# Altium PCB MatrixRE2.PcbDoc (part 2 of 3) (continued)
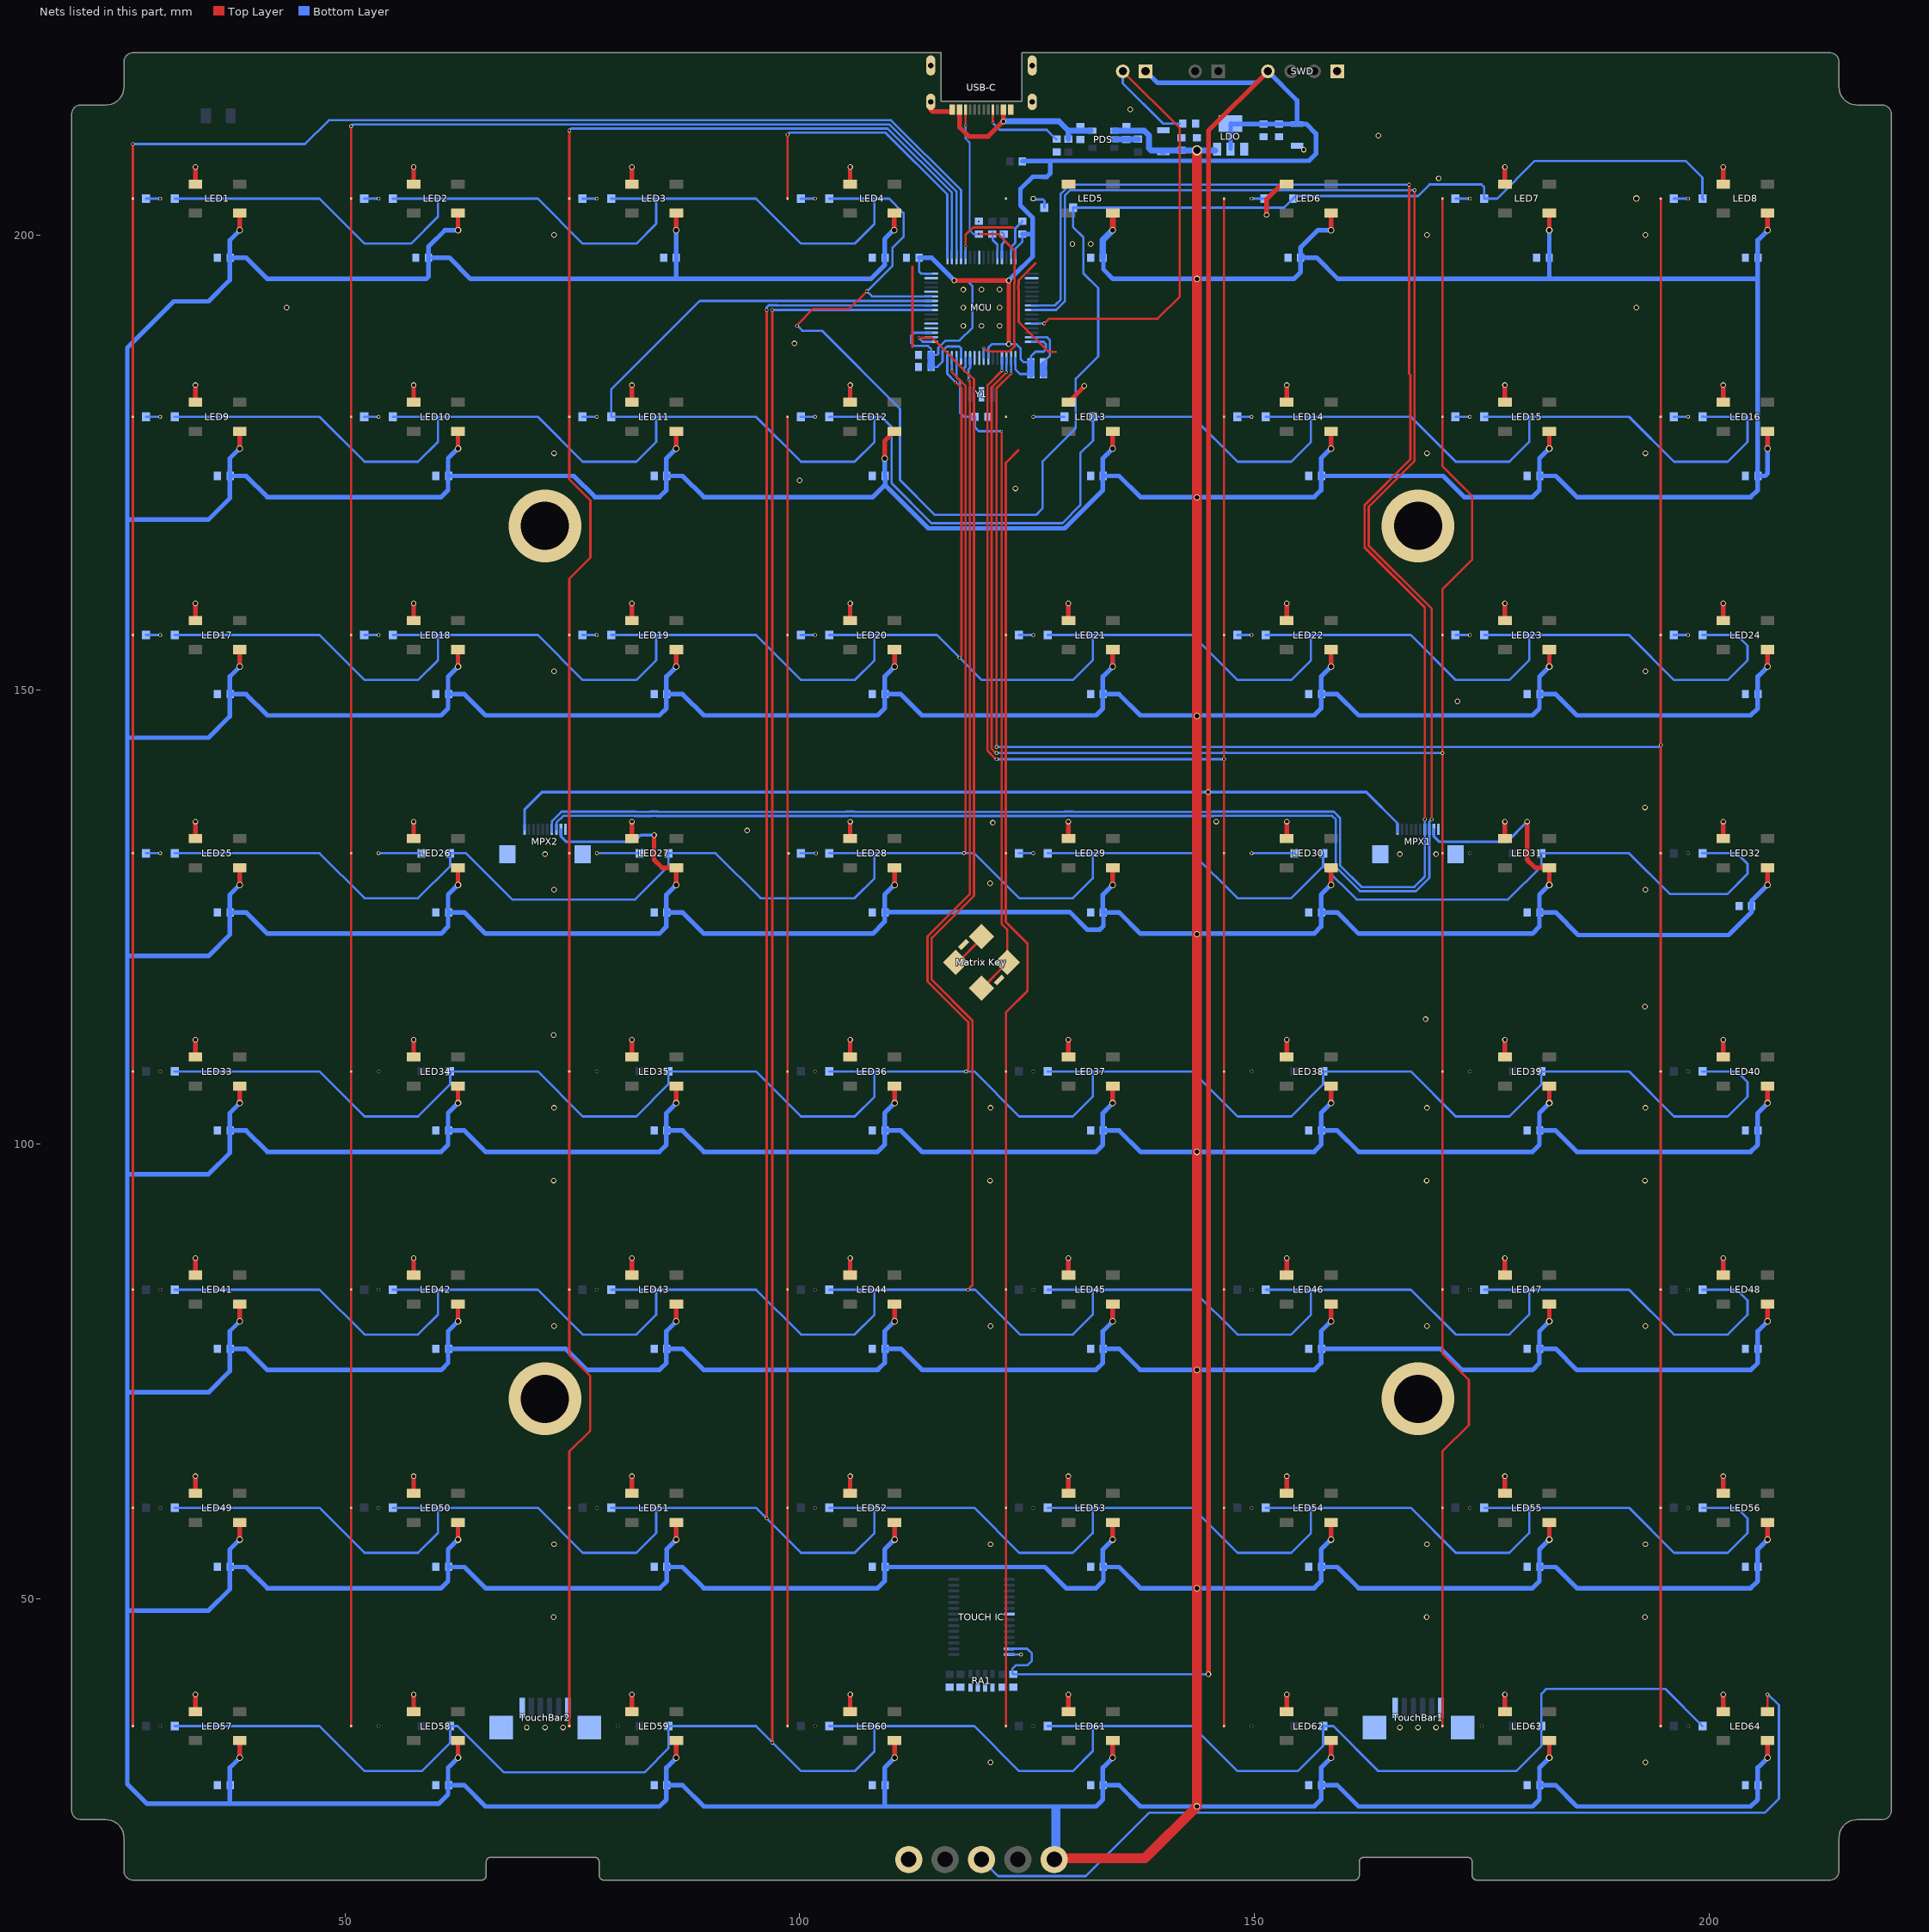
[diagram p2: the nets of this part, all layers, seen from the top]
## Nets (pads, with @x,y where several pads share a name; then routed paths per layer and width w, separated by ;. In a path a pad name is that pad's centre, name@x,y a point inside that pad or via, vN(x,y) a via of type N, cw(c..) or ccw(c..) an arc to the next point about the centre after c; other vN are vias at no path point) (continued)
  Bottom Layer w0.65: PDS.1@134.59,211.47 137.882,211.47 138.41,210.942 138.41,209.55 138.66,209.3 D2.2@139.702,209.3 ; D2.2@140,209.12 139.882,209.12 D2.2@139.702,209.3 ; LDO.3@145.719,209.3 v7(143.7,209.3) D2.2@139.702,209.3
  Bottom Layer w0.711: C5.2@133.35,197.55 133.35,199.431 v3(134.438,200.52)
  Bottom Layer w1.016: pad.1@128.18,21.38 128.18,26.83
  other v5: 143.68,51.163 143.68,75.163 143.68,99.163 143.68,123.1 143.68,147.09 143.68,171.14
+5RAW: C6.1@130.86,211.9 PDS.5 R3.1 USB-C.A4 USB-C.A9 | length 20.1
  Top Layer w0.508: USB-C.A9@117.6,213.775 117.6,211.822 118.586,210.836 120.74,210.836 v2(122.4,212.496) USB-C.A4@122.4,213.775
  Bottom Layer w0.6: 128.65,212.37 129.55,211.47 129.56,211.46 R3.1@129.56,210.54
  Bottom Layer w0.65: v2(122.4,212.496) 128.524,212.496 128.65,212.37 ; 129.55,211.47 PDS.5@131.99,211.47
Analog0: 
Analog1: 
Analog2: 
Analog3: 
Analog4: MCU.20
Analog5: MCU.21
Analog6: 
Analog7: 
Analog8: 
Analog9: 
Analog10: 
Analog11: 
Analog12: 
Analog13: MCU.9
Analog14: MCU.10
Analog15: 
BOOT0: MCU.60 pad.2@135.54,218 R1.1 | length 54.3
  Top Layer w0.254: v1(126.89,190.25) 127.43,190.79 139.36,190.79 141.803,193.233 141.803,211.737 pad.2@135.54,218
  Bottom Layer w0.254: MCU.60@125.525,190.25 v1(126.89,190.25) ; pad.2@135.54,218 135.54,216.68 139.97,212.25 R1.1@141.8,212.25
CC: 
CC1: R10.1 USB-C.A5 | length 9.2
  Top Layer w0.254: v4(121.25,212.332) 121.25,212.571 121.24,212.581 121.24,212.978 121.25,212.988 USB-C.A5@121.25,213.775
  Bottom Layer w0.254: v4(121.25,212.332) 122.014,211.568 127.182,211.568 128.21,210.54 R10.1@128.26,210.54
CC2: MCU.8 MCU.40 R7.2 USB-C.B5 | length 34.9
  Top Layer w0.203: v4(118.25,212.03) USB-C.B5@118.25,213.775
  Top Layer w0.254: v4(119.696,200.1) 121.834,200.1 123.632,198.303 123.632,194.704 123.586,194.658 123.586,188.308 123.632,188.262 123.632,187.738 123.095,187.201 120.649,187.201 v4(120.25,187.6)
  Bottom Layer w0.203: v4(118.25,212.03) 118.25,210.597 118.702,210.145 118.702,200.508 119.11,200.1 119.604,200.1 R7.2@119.75,200.246
  Bottom Layer w0.254: MCU.8@120.25,186.475 v4(120.25,187.6)
CS1: MCU.50
CS2: 
EXTRX: 
EXTTX: 
FN: "Matrix Key.2" MCU.14 R8.1 | length 75.1
  Top Layer w0.254: 120,117.172 120,117.11 122.828,119.938 122.828,120 122.828,123.632 122.211,124.249 v4(122.211,178.41)
  Bottom Layer w0.254: MCU.14@117.25,186.475 117.25,184.372 117.635,183.987 117.635,180.435 118.07,180 R8.1@119.3,180 119.3,178.82 119.71,178.41 v4(122.211,178.41)
GND: "Matrix Key.0" "Matrix Key.1" "TOUCH IC.21" "TOUCH IC.28" C1.1 C2.1 C3.1 C4.1 C5.1@132,197.5 C5.2@135.92,210.5 C6.1@153.7,197.5 C6.2@130.86,210.5 C7.1 C8.1 C9.1 C10.1 C11.1 C12.1 C13.1 C14.1 C15.1 C16.1 C17.1 C18.1 C19.1 C20.1 C21.1 C22.1 C23.1 C24.1 C25.1 C26.1 C27.1 C28.1 C29.1 C30.1 C31.1 C32.1 C33.1 C34.1 C35.1 C36.1 C37.1 C38.1 C39.1 C40.1 C41.1 C42.1 C43.1 C44.1 C45.1 C46.1 C47.1 C48.1 C49.1 C50.1 C51.1 C52.1 C53.1 C54.1 C55.1 C56.1 C57.1 C58.1 C59.1 C60.1 C61.1 C62.1 C63.1 C64.1 D1.1@154.7,209.806 D2.1@140,211.52 LDO.1 LED1.3 LED2.3 LED3.3 LED4.3 LED5.3 LED6.3 LED7.3 LED8.3 LED9.3 LED10.3 LED11.3 LED12.3 LED13.3 LED14.3 LED15.3 LED16.3 LED17.3 LED18.3 LED19.3 LED20.3 LED21.3 LED22.3 LED23.3 LED24.3 LED25.3 LED26.3 LED27.3 LED28.3 LED29.3 LED30.3 LED31.3 LED32.3 LED33.3 LED34.3 LED35.3 LED36.3 LED37.3 LED38.3 LED39.3 LED40.3 LED41.3 LED42.3 LED43.3 LED44.3 LED45.3 LED46.3 LED47.3 LED48.3 LED49.3 LED50.3 LED51.3 LED52.3 LED53.3 LED54.3 LED55.3 LED56.3 LED57.3 LED58.3 LED59.3 LED60.3 LED61.3 LED62.3 LED63.3 LED64.3 MCU.12 MCU.18 MCU.28 MCU.31 MCU.47 MCU.63 MPX1.0 MPX1.1 MPX2.0 MPX2.1 pad.5 PDS.2 R1.2 R2.1 R7.1 R8.2 R10.2 RA1.5 RA1.6 RA1.7 RA1.8 SWD.1 TouchBar1.0 TouchBar1.1 TouchBar1.6 TouchBar2.0 TouchBar2.1 TouchBar2.6 USB-C.0 USB-C.A1 USB-C.A12 Y1.2 | length 144.5
  Top Layer w0.254: 117.278,119.894 120,122.616 120,122.828
  Top Layer w0.508: LED57.3@33.562,37.6 v2(33.562,39.48) ; LED49.3@33.562,61.6 v2(33.562,63.48) ; LED41.3@33.562,85.6 v2(33.562,87.48) ; LED33.3@33.562,109.6 v2(33.562,111.48) ; LED25.3@33.562,133.6 v2(33.562,135.48) ; LED17.3@33.562,157.6 v2(33.562,159.48) ; LED9.3@33.562,181.6 v2(33.562,183.48) ; LED1.3@33.562,205.6 v2(33.562,207.48) ; LED58.3@57.562,37.6 v2(57.562,39.48) ; LED50.3@57.562,61.6 v2(57.562,63.48) ; LED42.3@57.562,85.6 v2(57.562,87.48) ; LED34.3@57.562,109.6 v2(57.562,111.48) ; LED26.3@57.562,133.6 v2(57.562,135.48) ; LED18.3@57.562,157.6 v2(57.562,159.48) ; LED10.3@57.562,181.6 v2(57.562,183.48) ; LED2.3@57.562,205.6 v2(57.562,207.48) ; LED59.3@81.562,37.6 v2(81.562,39.48) ; LED51.3@81.562,61.6 v2(81.562,63.48) ; LED43.3@81.562,85.6 v2(81.562,87.48) ; LED35.3@81.562,109.6 v2(81.562,111.48) ; LED27.3@81.562,133.6 v2(81.562,135.48) ; LED19.3@81.562,157.6 v2(81.562,159.48) ; LED11.3@81.562,181.6 v2(81.562,183.48) ; LED3.3@81.562,205.6 v2(81.562,207.48) ; LED60.3@105.562,37.6 v2(105.562,39.48) ; LED52.3@105.562,61.6 v2(105.562,63.48) ; LED44.3@105.562,85.6 v2(105.562,87.48) ; LED36.3@105.562,109.6 v2(105.562,111.48) ; LED28.3@105.562,133.6 v2(105.562,135.48) ; LED20.3@105.562,157.6 v2(105.562,159.48) ; LED12.3@105.562,181.6 v2(105.562,183.48) ; LED4.3@105.562,205.6 v2(105.562,207.48) ; 114.425,213.74 114.59,213.575 USB-C.A12@116.8,213.575 ; LED61.3@129.562,37.6 v2(129.562,39.48) ; LED53.3@129.562,61.6 v2(129.562,63.48) ; LED45.3@129.562,85.6 v2(129.562,87.48) ; LED37.3@129.562,109.6 v2(129.562,111.48) ; LED29.3@129.562,133.6 v2(129.562,135.48) ; LED21.3@129.562,157.6 v2(129.562,159.48) ; LED13.3@129.562,181.6 131.3,183.339 v2(131.3,183.4) ; v2(151.34,202.2) 151.34,203.916 153.024,205.6 LED6.3@153.562,205.6 ; LED62.3@153.562,37.6 v2(153.562,39.48) ; LED54.3@153.562,61.6 v2(153.562,63.48) ; LED46.3@153.562,85.6 v2(153.562,87.48) ; LED38.3@153.562,109.6 v2(153.562,111.48) ; LED30.3@153.562,133.6 v2(153.562,135.48) ; LED22.3@153.562,157.6 v2(153.562,159.48) ; LED14.3@153.562,181.6 v2(153.562,183.48) ; LED63.3@177.562,37.6 v2(177.562,39.48) ; LED55.3@177.562,61.6 v2(177.562,63.48) ; LED47.3@177.562,85.6 v2(177.562,87.48) ; LED39.3@177.562,109.6 v2(177.562,111.48) ; LED31.3@177.562,133.6 v2(177.562,135.48) ; LED23.3@177.562,157.6 v2(177.562,159.48) ; LED15.3@177.562,181.6 v2(177.562,183.48) ; LED7.3@177.562,205.6 v2(177.562,207.48) ; LED64.3@201.562,37.6 v2(201.562,39.48) ; LED56.3@201.562,61.6 v2(201.562,63.48) ; LED48.3@201.562,85.6 v2(201.562,87.48) ; LED40.3@201.562,109.6 v2(201.562,111.48) ; LED32.3@201.562,133.6 v2(201.562,135.48) ; LED24.3@201.562,157.6 v2(201.562,159.48) ; LED16.3@201.562,181.6 v2(201.562,183.48) ; LED8.3@201.562,205.6 v2(201.562,207.48)
  Bottom Layer w0.254: 118.116,185.002 118.106,185.012 118.106,185.388 118.25,185.532 MCU.12@118.25,186.475 ; 123.05,43.873 v1(124.338,43.873) ; MCU.47@123.25,197.525 123.25,198.668 123.714,199.132 123.714,200.714 C9.1@124.5,201.5 ; MCU.63@125.525,188.75 127.22,188.75 127.516,188.454 127.516,186.686 C7.1@126.83,186 C7.1@126.83,185.7
  Bottom Layer w0.508: PDS.2@134.59,210.52 PDS.2@134.61,210.54
  Bottom Layer w0.65: PDS.2@134.61,210.54 R2.1@137.22,210.54
  Bottom Layer w0.8: C8.1@126.83,184.7 C7.1@126.83,185.7
  other v2: 121,32 193,32 70,35.85 72,35.85 74,35.85 166,35.85 168,35.85 170,35.85 72.955,48 168.955,48 192.955,48 73,56 121,56 169,56 193,56 73,80 121,80 169,80 193,80 72.955,96 120.955,96 168.955,96 192.955,96 73,104 121,104 169,104 193,104 72.955,112 168.83,113.74 192.955,115.12 120,120 73,128 193,128 120.94,128.7 72,131.9 166,131.9 170,131.9 94.22,134.5 121.25,135.35 145.82,135.48 192.955,137.039 172.34,148.69 73,152 193,152 123.75,172.12 100,173 73,176 169,176 193,176 99.424,188.07 118,190 120,190 122,190 43.6,192 118,192 120,192 122,192 192,192 118.001,193.983 120,194 122,194 130,199 132,199 73,200 169,200 193,200 170.28,206.22 155.44,209.38 163.63,210.93 136.35,213.8
  other v3: 192,204
  other v4: 119.696,201.5
  other v6: 72,72 168,72 72,168 168,168
Key1: MCU.36 SW1.1 SW9.1 SW17.1 SW25.1 SW33.1 SW41.1 SW49.1 SW57.1 | length 276.7
  Top Layer w0.254: SW57.1@26.682,36.003 SW49.1@26.682,60.003 SW41.1@26.682,84.003 SW33.1@26.682,108.003 SW25.1@26.682,132.003 SW17.1@26.682,156.003 SW9.1@26.682,180.003 SW1.1@26.682,204.003 v1(26.682,210)
  Bottom Layer w0.254: v1(26.682,210) 45.62,210 48.236,212.616 100.177,212.616 100.179,212.613 101.121,212.613 101.123,212.616 110.061,212.616 117.75,204.927 MCU.36@117.75,197.525
Key2: MCU.35 SW2.1 SW10.1 SW18.1 SW26.1 SW34.1 SW42.1 SW50.1 SW58.1 | length 252.9
  Top Layer w0.254: SW58.1@50.682,36.003 SW50.1@50.682,60.003 SW42.1@50.682,84.003 SW34.1@50.682,108.003 SW26.1@50.682,132.003 SW18.1@50.682,156.003 SW10.1@50.682,180.003 SW2.1@50.682,204.003 v1@50.682,211.96
  Bottom Layer w0.254: v1(50.682,211.96) 50.882,212.16 99.991,212.16 101.309,212.159 109.875,212.16 117.25,204.785 MCU.35@117.25,197.525
Key3: MCU.34 SW3.1 SW11.1 SW19.1 SW27.1 SW35.1 SW43.1 SW51.1 SW59.1 | length 231.5
  Top Layer w0.254: SW59.1@74.682,36.003 SW51.1@74.682,60.003 74.682,66.2 76.98,68.499 76.98,74.501 74.682,76.8 SW43.1@74.682,84.003 SW35.1@74.682,108.003 SW27.1@74.682,132.003 SW19.1@74.682,156.003 74.682,162.2 77,164.518 77,170.8 74.682,173.118 SW11.1@74.682,180.003 74.682,190.25 SW3.1@74.682,204.003 v1(74.682,211.506)
  Bottom Layer w0.254: v1(74.682,211.506) 74.882,211.706 99.803,211.706 ; 99.803,211.705 101.497,211.705 ; 101.497,211.706 109.686,211.706 116.75,204.642 MCU.34@116.75,197.525
Key4: MCU.33 SW4.1 SW12.1 SW20.1 SW28.1 SW36.1 SW44.1 SW52.1 SW60.1 | length 187.3
  Top Layer w0.254: SW60.1@98.682,36.003 SW52.1@98.682,60.003 SW44.1@98.682,84.003 SW36.1@98.682,108.003 SW20.1@98.682,156.003 SW12.1@98.682,180.003 ; SW4.1@98.682,204.003 v1(98.682,211.051) ; 112.41,187.69 112.41,196.52
  Bottom Layer w0.254: v1(98.682,211.051) 98.883,211.252 99.614,211.252 108.569,211.251 109.458,211.252 116.25,204.46 MCU.33@116.25,197.525
Key5: MCU.37 SW5.1 SW13.1 SW21.1 SW29.1 SW37.1 SW45.1 SW53.1 SW61.1 | length 163.6
  Top Layer w0.254: v4(118.25,198.75) 118.25,200.011 119.073,200.834 123.458,200.834 ; SW61.1@122.682,36.003 SW53.1@122.682,60.003 SW45.1@122.682,84.003 122.682,114.489 125.06,116.867 125.06,122.048 122.665,124.443 122.665,136.703 122.665,156.003 122.665,174.931 124.05,176.316 ; 125.95,196.88 124.086,195.016 124.086,194.516 124.04,194.47 124.04,194.03 124.086,193.984 124.086,190.424 127.36,187.15 128.18,187.15
  Bottom Layer w0.254: MCU.37@118.25,197.525 v4(118.25,198.75)
Key6: MCU.4 SW6.1 SW14.1 SW22.1 SW30.1 SW38.1 SW46.1 SW54.1 SW62.1 | length 238.3
  Top Layer w0.254: v1(121.65,142.34) 121.587,142.34 120.666,143.262 120.666,183.486 v4@122.24,185.06 ; SW62.1@146.682,36.003 SW54.1@146.682,60.003 SW46.1@146.682,84.003 SW38.1@146.682,108.003 SW30.1@146.682,132.003 v1(146.682,142.34) 146.682,189.9 SW6.1@146.682,204.003
  Bottom Layer w0.254: v1(121.65,142.34) 146.639,142.34 v1@146.682,142.383 ; v4(122.25,185.07) MCU.4@122.25,186.475
Key7: MCU.3 SW7.1 SW15.1 SW23.1 SW31.1 SW39.1 SW47.1 SW55.1 SW63.1 | length 266.6
  Top Layer w0.254: v1(121.65,143.027) 121.573,143.027 121.12,143.48 121.12,183.252 122.75,184.882 v4(122.75,184.9) ; SW63.1@170.682,36.003 SW55.1@170.682,60.003 170.682,66.2 173.601,69.119 173.601,74.081 170.682,77 SW47.1@170.682,84.003 SW39.1@170.682,108.003 SW31.1@170.682,132.003 SW23.1@170.682,156.003 170.682,161.002 173.94,164.26 173.94,171.31 170.682,174.568 SW15.1@170.682,180.003 170.682,190.8 SW7.1@170.682,204.003
  Bottom Layer w0.254: v1(121.65,143.027) 146.398,143.027 146.415,143.044 146.949,143.044 146.966,143.027 v1(170.7,143.027) ; v4(122.75,184.9) MCU.3@122.75,186.475
Key8: MCU.2 SW8.1 SW16.1 SW24.1 SW32.1 SW40.1 SW48.1 SW56.1 SW64.1 | length 284.5
  Top Layer w0.254: v1(121.65,143.7) 121.65,183.122 v4@123.229,184.701 ; SW64.1@194.682,36.003 SW56.1@194.682,60.003 SW48.1@194.682,84.003 SW40.1@194.682,108.003 SW32.1@194.682,132.003 SW24.1@194.682,156.003 SW16.1@194.682,180.003 194.7,180.021 194.7,203.984 SW8.1@194.682,204.003
  Bottom Layer w0.254: v1(121.65,143.7) 194.5,143.7 v1(194.7,143.9) ; MCU.2@123.25,186.475 123.26,186.465 v4@123.26,184.75
  other v4: 123.26,184.75
KeyRead1: D1.2@31.275,204 D2.2@55.275,204 D3.2 D4.2 D5.2 D6.2 D7.2 D8.2 MCU.27 | length 293
  Top Layer w0.254: v1@99.72,190.09 101.51,191.88 105.48,191.88 v1(107.4,193.8)
  Bottom Layer w0.254: D1.2@31.275,204 47.211,204 52.156,199.055 57.275,199.055 60.234,202.014 60.234,204 ; D2.2@55.275,204 60.234,204 ; D3.2@79.275,204 84.234,204 ; v1(99.72,190) 99.77,190 100.3,189.47 102.458,189.47 111.035,180.893 111.035,173.049 114.868,169.216 126.004,169.216 126.71,169.921 126.71,175.068 130.37,178.728 130.37,184.2 132.83,186.66 132.83,194.15 131.208,195.772 131.208,199.741 130.07,200.88 130.075,200.885 D5.2@130.075,203 153.275,203 D6.2@154.275,204 154.565,204.29 160.718,204.29 168.024,204.29 169.284,205.55 174.98,205.55 175.275,205.255 D7.2@175.275,204 176.7,204 180.85,208.15 197.44,208.15 199.275,206.315 D8.2@199.275,204 D8.2@199.375,203.9 ; D4.2@103.275,204 108.234,204 ; MCU.27@114.475,193.25 107.95,193.25 v1(107.4,193.8) 110.227,196.627 110.227,198.587 111.44,199.8 111.44,202.41 109.85,204 108.234,204 ; 60.234,204 71.211,204 76.156,199.055 82.054,199.055 84.234,201.234 84.234,204 ; 84.234,204 95.211,204 100.156,199.055 106.054,199.055 108.234,201.234 108.234,204
KeyRead2: D9.2 D10.2 D11.2 D12.2 D13.2 D14.2 D15.2 D16.2 MCU.26 | length 297.5
  Bottom Layer w0.254: D9.2@31.275,180 47.211,180 52.156,175.055 58.054,175.055 60.234,177.234 60.234,180 ; D10.2@55.275,180 60.234,180 ; D12.2@103.275,180 108.234,180 ; MCU.26@114.475,192.75 89.01,192.75 79.275,183.015 D11.2@79.275,180 84.234,180 ; D14.2@151.275,180 156.234,180 ; D15.2@175.275,180 180.234,180 ; D16.2@199.32,180.045 D16.2@199.275,180 204.234,180 204.234,177.234 202.054,175.055 196.156,175.055 191.211,180 180.234,180 ; 60.234,180 71.211,180 76.156,175.055 82.054,175.055 84.234,177.234 84.234,180 ; 84.234,180 95.211,180 100.156,175.055 106.054,175.055 108.234,177.234 108.234,180 ; 108.234,180 108.99,180 110.122,178.868 110.122,174.096 110.127,174.091 110.127,172.673 114.492,168.308 128.907,168.308 130.87,170.271 130.87,175.988 132.275,177.393 D13.2@132.275,180 143.211,180 148.156,175.055 154.054,175.055 156.234,177.234 156.234,180 ; 156.234,180 167.211,180 172.156,175.055 178.054,175.055 180.234,177.234 180.234,180
KeyRead3: D17.2 D18.2 D19.2 D20.2 D21.2 D22.2 D23.2 D24.2 MCU.16 | length 281
  Top Layer w0.254: v4(117.155,183.789) 117.191,183.789 117.803,183.176 117.803,153.703 v1(117.6,153.5)
  Bottom Layer w0.254: D17.2@31.275,156 47.211,156 52.156,151.055 58.054,151.055 60.234,153.234 60.234,156 ; D18.2@55.275,156 60.234,156 ; D19.2@79.275,156 84.234,156 ; D20.2@103.275,156 108.234,156 ; 108.254,155.98 108.234,156 ; 108.254,156 115.1,156 v1(117.6,153.5) 120.045,151.055 130.054,151.055 132.234,153.234 132.234,156 ; MCU.16@116.25,186.725 MCU.16@116.25,186.475 116.25,184.73 117.155,183.824 v4(117.155,183.789) ; D21.2@127.275,156 132.234,156 ; D22.2@151.275,156 156.234,156 ; D23.2@175.275,156 180.234,156 ; D24.2@199.275,156 203.06,156 204.234,154.826 204.234,153.234 202.054,151.055 196.156,151.055 191.211,156 180.234,156 ; 60.234,156 71.211,156 76.156,151.055 82.054,151.055 84.234,153.234 84.234,156 ; 84.234,156 95.211,156 100.156,151.055 106.054,151.055 108.234,153.234 108.234,156 ; 132.234,156 143.211,156 148.156,151.055 154.054,151.055 156.234,153.234 156.234,156 ; 156.234,156 167.211,156 172.156,151.055 178.054,151.055 180.234,153.234 180.234,156
KeyRead4: D25.2 D26.2 D27.2 D28.2 D29.2 D30.2 D31.2 D32.2 MCU.15 | length 278.4
  Top Layer w0.254: v4@116.73,185.09 116.73,184.928 118.257,183.4 118.257,132.2 v1(118.057,132)
  Bottom Layer w0.254: D25.2@31.275,132 47.211,132 52.156,127.055 58.054,127.055 61.575,130.575 D26.2@61.575,132 63.32,132 68.406,126.914 81.914,126.914 85.575,130.575 D27.2@85.575,132 90.76,132 95.705,127.055 106.054,127.055 108.234,129.234 108.234,132 ; D28.2@103.275,132 108.234,132 ; v4@116.75,185.11 MCU.15@116.75,186.475 MCU.15@116.75,186.725 ; D29.2@127.275,132 132.234,132 ; D30.2@157.575,132 157.575,130.575 ; D32.2@199.275,132 203.06,132 204.234,130.826 204.234,129.74 201.997,127.504 195.707,127.504 191.211,132 D31.2@181.575,132 181.575,130.575 177.914,126.914 161.236,126.914 157.575,130.575 ; 108.234,132 119.211,132 124.156,127.055 130.054,127.055 132.234,129.234 132.234,132 ; 132.234,132 143.211,132 148.156,127.055 154.054,127.055 157.575,130.575
  other v4: 116.75,185.1
KeyRead5: D33.2 D34.2 D35.2 D36.2 D37.2 D38.2 D39.2 D40.2 MCU.11 | length 306.5
  Top Layer w0.254: v1(118.311,108) 118.555,108.244 118.555,113.421 114.068,117.908 114.068,122.852 118.711,127.495 118.711,183.908 v4(118.57,184.05)
  Bottom Layer w0.254: D33.2@31.275,108 47.211,108 52.156,103.055 58.054,103.055 61.575,106.575 D34.2@61.575,108 71.211,108 76.156,103.055 82.054,103.055 85.575,106.575 D35.2@85.575,108 95.211,108 100.156,103.055 106.054,103.055 108.234,105.234 108.234,108 ; D36.2@103.275,108 108.234,108 ; v4(118.57,184.05) 118.57,185.19 118.56,185.2 118.75,185.39 MCU.11@118.75,186.475 ; D37.2@127.275,108 132.234,108 ; D40.2@199.275,108 203.06,108 204.234,106.826 204.234,105.234 202.054,103.055 196.156,103.055 191.211,108 D39.2@181.575,108 181.575,106.575 178.054,103.055 172.156,103.055 167.211,108 D38.2@157.575,108 157.575,106.575 154.054,103.055 148.156,103.055 143.211,108 132.234,108 ; 108.234,108 v1(118.311,108) 119.211,108 124.156,103.055 130.054,103.055 132.234,105.234 132.234,108
KeyRead6: D41.2 D42.2 D43.2 D44.2 D45.2 D46.2 D47.2 D48.2 MCU.17 | length 360.6
  Top Layer w0.254: v4(113.11,188.67) 114.567,188.67 118.708,184.529 118.768,184.529 119.165,184.132 119.165,127.307 114.522,122.664 114.522,118.096 119.009,113.609 119.009,84.498 v1(118.511,84)
  Bottom Layer w0.254: D41.2@31.275,84 47.211,84 52.156,79.055 58.054,79.055 60.234,81.234 60.234,84 ; D42.2@55.275,84 60.234,84 ; D43.2@79.275,84 84.234,84 ; D44.2@103.275,84 108.234,84 ; v4(113.11,188.67) 113.53,188.25 MCU.17@114.475,188.25 ; D45.2@127.275,84 132.234,84 ; D46.2@151.275,84 156.234,84 ; D47.2@175.275,84 180.234,84 ; D48.2@199.275,84 203.06,84 204.234,82.826 204.234,81.234 202.054,79.055 196.156,79.055 191.211,84 180.234,84 ; 60.234,84 71.211,84 76.156,79.055 82.054,79.055 84.234,81.234 84.234,84 ; 84.234,84 95.211,84 100.156,79.055 106.054,79.055 108.234,81.234 108.234,84 ; 108.234,84 v1(118.511,84) 119.302,84 124.247,79.055 130.054,79.055 132.234,81.234 132.234,84 ; 132.234,84 143.211,84 148.156,79.055 154.054,79.055 156.234,81.234 156.234,84 ; 156.234,84 167.211,84 172.156,79.055 178.054,79.055 180.234,81.234 180.234,84
KeyRead7: D49.2 D50.2 D51.2 D52.2 D53.2 D54.2 D55.2 D56.2 MCU.25 | length 398.5
  Top Layer w0.254: v1(96.38,58.83) v1(96.38,191.75)
  Bottom Layer w0.254: D49.2@31.275,60 47.211,60 52.156,55.055 58.054,55.055 60.234,57.234 60.234,60 ; D50.2@55.275,60 60.234,60 ; D51.2@79.275,60 84.234,60 ; v1@96.38,191.7 v1(96.38,191.75) 96.38,192.05 96.61,192.28 97.5,192.28 97.53,192.25 MCU.25@114.475,192.25 ; D52.2@103.275,60 108.234,60 ; D53.2@127.275,60 132.234,60 ; D54.2@151.275,60 156.234,60 ; D55.2@175.275,60 180.234,60 ; D56.2@199.275,60 203.06,60 204.234,58.826 204.234,57.234 202.054,55.055 196.156,55.055 191.211,60 180.234,60 ; 60.234,60 71.211,60 76.156,55.055 82.054,55.055 84.234,57.234 84.234,60 ; 84.234,60 95.211,60 100.156,55.055 106.054,55.055 108.234,57.234 108.234,60 ; 108.234,60 119.211,60 124.156,55.055 130.054,55.055 132.234,57.234 132.234,60 ; 132.234,60 143.211,60 148.156,55.055 154.054,55.055 156.234,57.234 156.234,60 ; 156.234,60 167.211,60 172.156,55.055 178.054,55.055 180.234,57.234 180.234,60
KeyRead8: D57.2 D58.2 D59.2 D60.2 D61.2 D62.2 D63.2 D64.2 MCU.24 | length 391.4
  Top Layer w0.254: v1(97,34.17) 97,47.152 97,115.968 v1(97,191.75)
  Bottom Layer w0.254: D57.2@31.275,36 47.211,36 52.156,31.055 58.455,31.055 61.575,34.175 D58.2@61.575,36 62.398,36 67.484,30.914 82.934,30.914 85.575,33.555 D59.2@85.575,36 95.211,36 100.156,31.055 106.054,31.055 108.234,33.234 108.234,36 ; v1@97.04,191.75 MCU.24@114.475,191.75 ; D60.2@103.275,36 108.234,36 ; D61.2@127.275,36 132.234,36 ; D64.2@199.275,36 195.185,40.09 182.1,40.09 181.575,39.565 D63.2@181.575,36 181.575,33.825 178.805,31.055 163.643,31.055 158.698,36 D62.2@157.575,36 157.575,33.835 154.795,31.055 148.156,31.055 143.211,36 132.234,36 ; 108.234,36 119.211,36 124.156,31.055 130.054,31.055 132.234,33.234 132.234,36
LEDdata: MCU.38 R9.2 | length 91.9
  Bottom Layer w0.254: R9.2@37.43,213.1 37.46,213.07 40.4,213.07 100.365,213.07 100.367,213.067 100.933,213.067 100.935,213.07 110.249,213.07 118.204,205.115 118.204,199.707 118.75,199.161 MCU.38@118.75,197.525
LEDdata: 
LEDext: LED64.2 pad.3 | length 105.9
  Top Layer w0.254: LED64.2@206.438,37.6 v1(206.438,39.48)
  Bottom Layer w0.254: pad.3@120,21.32 121.827,19.493 131.468,19.493 138.461,26.486 206.156,26.486 207.681,28.011 207.681,38.311 206.475,39.517 v1(206.438,39.48)
MCUUSB+: MCU.45 R5.2 | length 2.9
  Bottom Layer w0.254: MCU.45@122.25,197.525 122.25,198.952 122.45,199.152 R5.2@122.45,200.1 R5.2@122.25,200.3
MCUUSB-: MCU.44 R6.2 | length 3
  Bottom Layer w0.254: R6.2@121.2,200.29 121.219,200.271 121.219,199.481 121.75,198.95 MCU.44@121.75,197.525
MISO: MCU.56 MPX1.4 MPX2.4 | length 239.2
  Top Layer w0.254: v1(167.029,205.548) 167.029,184.731 167.165,184.595 167.165,175.329 162.132,170.296 162.132,165.629 168.75,159.011 v1(168.75,135.72)
  Bottom Layer w0.254: MPX2.4@72.75,134.325 MPX2.4@72.75,134.625 72.773,134.648 72.773,135.527 73.812,136.566 82.011,136.566 82.023,136.554 83.538,136.554 83.55,136.566 84.45,136.566 84.462,136.554 105.1,136.554 105.112,136.566 106.011,136.566 106.023,136.554 129.1,136.554 129.112,136.566 130.011,136.566 130.023,136.554 145.358,136.554 145.37,136.566 146.646,136.566 158.744,136.566 159.423,135.888 159.423,130.654 161.8,128.276 167.596,128.276 168.75,129.43 MPX1.4@168.75,134.625 v1(168.75,135.72) ; MCU.56@125.525,192.25 128.082,192.25 128.716,192.884 128.716,204.528 129.736,205.548 166.74,205.548
MOSI: MCU.57 MPX1.3 MPX2.3 | length 239
  Top Layer w0.254: v1(167.619,204.932) 167.619,175.141 162.586,170.108 162.586,165.817 169.52,158.883 v1(169.52,135.72)
  Bottom Layer w0.254: MPX2.3@73.25,134.625 73.273,134.648 73.273,135.385 74,136.112 81.823,136.112 81.835,136.1 83.727,136.1 83.738,136.112 84.262,136.112 84.274,136.1 105.288,136.1 105.3,136.112 105.823,136.112 105.835,136.1 129.288,136.1 129.3,136.112 129.823,136.112 129.835,136.1 145.547,136.1 145.558,136.112 146.834,136.112 158.556,136.112 158.969,135.7 158.969,130.466 161.612,127.822 167.784,127.822 169.25,129.288 MPX1.3@169.25,134.625 169.25,135.45 v1(169.52,135.72) ; MCU.57@125.525,191.75 128.224,191.75 129.17,192.695 129.17,204.34 129.762,204.932 167.33,204.932
NetD1_1: D1.1@28.125,204 SW1.2 | length 1.6
  Bottom Layer w0.254: D1.1@28.125,204 SW1.2@29.7,204
NetD2_1: D2.1@52.125,204 SW2.2 | length 1.6
  Bottom Layer w0.254: D2.1@52.125,204 SW2.2@53.7,204
NetD3_1: D3.1 SW3.2 | length 1.6
  Bottom Layer w0.254: D3.1@76.125,204 SW3.2@77.7,204
NetD4_1: D4.1 SW4.2 | length 1.6
  Bottom Layer w0.254: D4.1@100.125,204 SW4.2@101.7,204
NetD5_1: D5.1 SW5.2 | length 2.3
  Bottom Layer w0.254: SW5.2@125.49,203.91 126.77,203.91 126.925,203.755 D5.1@126.925,203
NetD6_1: D6.1 SW6.2 | length 1.6
  Bottom Layer w0.254: SW6.2@149.725,204 D6.1@151.3,204
NetD7_1: D7.1 SW7.2 | length 1.6
  Bottom Layer w0.254: D7.1@172.125,204 SW7.2@173.7,204
NetD8_1: D8.1 SW8.2 | length 1.6
  Bottom Layer w0.254: D8.1@196.125,204 SW8.2@197.7,204
NetD9_1: D9.1 SW9.2 | length 1.6
  Bottom Layer w0.254: D9.1@28.125,180 SW9.2@29.7,180
NetD10_1: D10.1 SW10.2 | length 1.6
  Bottom Layer w0.254: D10.1@52.125,180 SW10.2@53.7,180
NetD11_1: D11.1 SW11.2 | length 1.6
  Bottom Layer w0.254: D11.1@76.125,180 SW11.2@77.7,180
NetD12_1: D12.1 SW12.2 | length 1.6
  Bottom Layer w0.254: D12.1@100.125,180 SW12.2@101.7,180
NetD13_1: D13.1 SW13.2 | length 3.4
  Bottom Layer w0.254: SW13.2@125.7,180 D13.1@129.125,180
NetD14_1: D14.1 SW14.2 | length 1.6
  Bottom Layer w0.254: D14.1@148.125,180 SW14.2@149.7,180
NetD15_1: D15.1 SW15.2 | length 1.6
  Bottom Layer w0.254: D15.1@172.125,180 SW15.2@173.7,180
NetD16_1: D16.1 SW16.2 | length 1.6
  Bottom Layer w0.254: D16.1@196.125,180 SW16.2@197.7,180
NetD17_1: D17.1 SW17.2 | length 1.6
  Bottom Layer w0.254: D17.1@28.125,156 SW17.2@29.7,156
NetD18_1: D18.1 SW18.2 | length 1.6
  Bottom Layer w0.254: D18.1@52.125,156 SW18.2@53.7,156
NetD19_1: D19.1 SW19.2 | length 1.6
  Bottom Layer w0.254: D19.1@76.125,156 SW19.2@77.7,156
NetD20_1: D20.1 SW20.2 | length 1.6
  Bottom Layer w0.254: D20.1@100.125,156 SW20.2@101.7,156
NetD21_1: D21.1 SW21.2 | length 1.6
  Bottom Layer w0.254: D21.1@124.125,156 SW21.2@125.7,156
NetD22_1: D22.1 SW22.2 | length 1.6
  Bottom Layer w0.254: D22.1@148.125,156 SW22.2@149.7,156
NetD23_1: D23.1 SW23.2 | length 1.6
  Bottom Layer w0.254: D23.1@172.125,156 SW23.2@173.7,156
NetD24_1: D24.1 SW24.2 | length 1.6
  Bottom Layer w0.254: D24.1@196.125,156 SW24.2@197.7,156
NetD25_1: D25.1 SW25.2 | length 1.6
  Bottom Layer w0.254: D25.1@28.125,132 SW25.2@29.7,132
NetD26_1: D26.1 SW26.2 | length 4.7
  Bottom Layer w0.254: SW26.2@53.7,132 D26.1@58.425,132
NetD27_1: D27.1 SW27.2 | length 4.7
  Bottom Layer w0.254: SW27.2@77.7,132 D27.1@82.425,132
NetD28_1: D28.1 SW28.2 | length 1.6
  Bottom Layer w0.254: D28.1@100.125,132 SW28.2@101.7,132
NetD29_1: D29.1 SW29.2 | length 1.6
  Bottom Layer w0.254: D29.1@124.125,132 SW29.2@125.7,132
NetD30_1: D30.1 SW30.2 | length 4.7
  Bottom Layer w0.254: SW30.2@149.7,132 D30.1@154.425,132